# Altium PCB GameBoard_V1I1.PcbDoc (part 16 of 22) (continued)
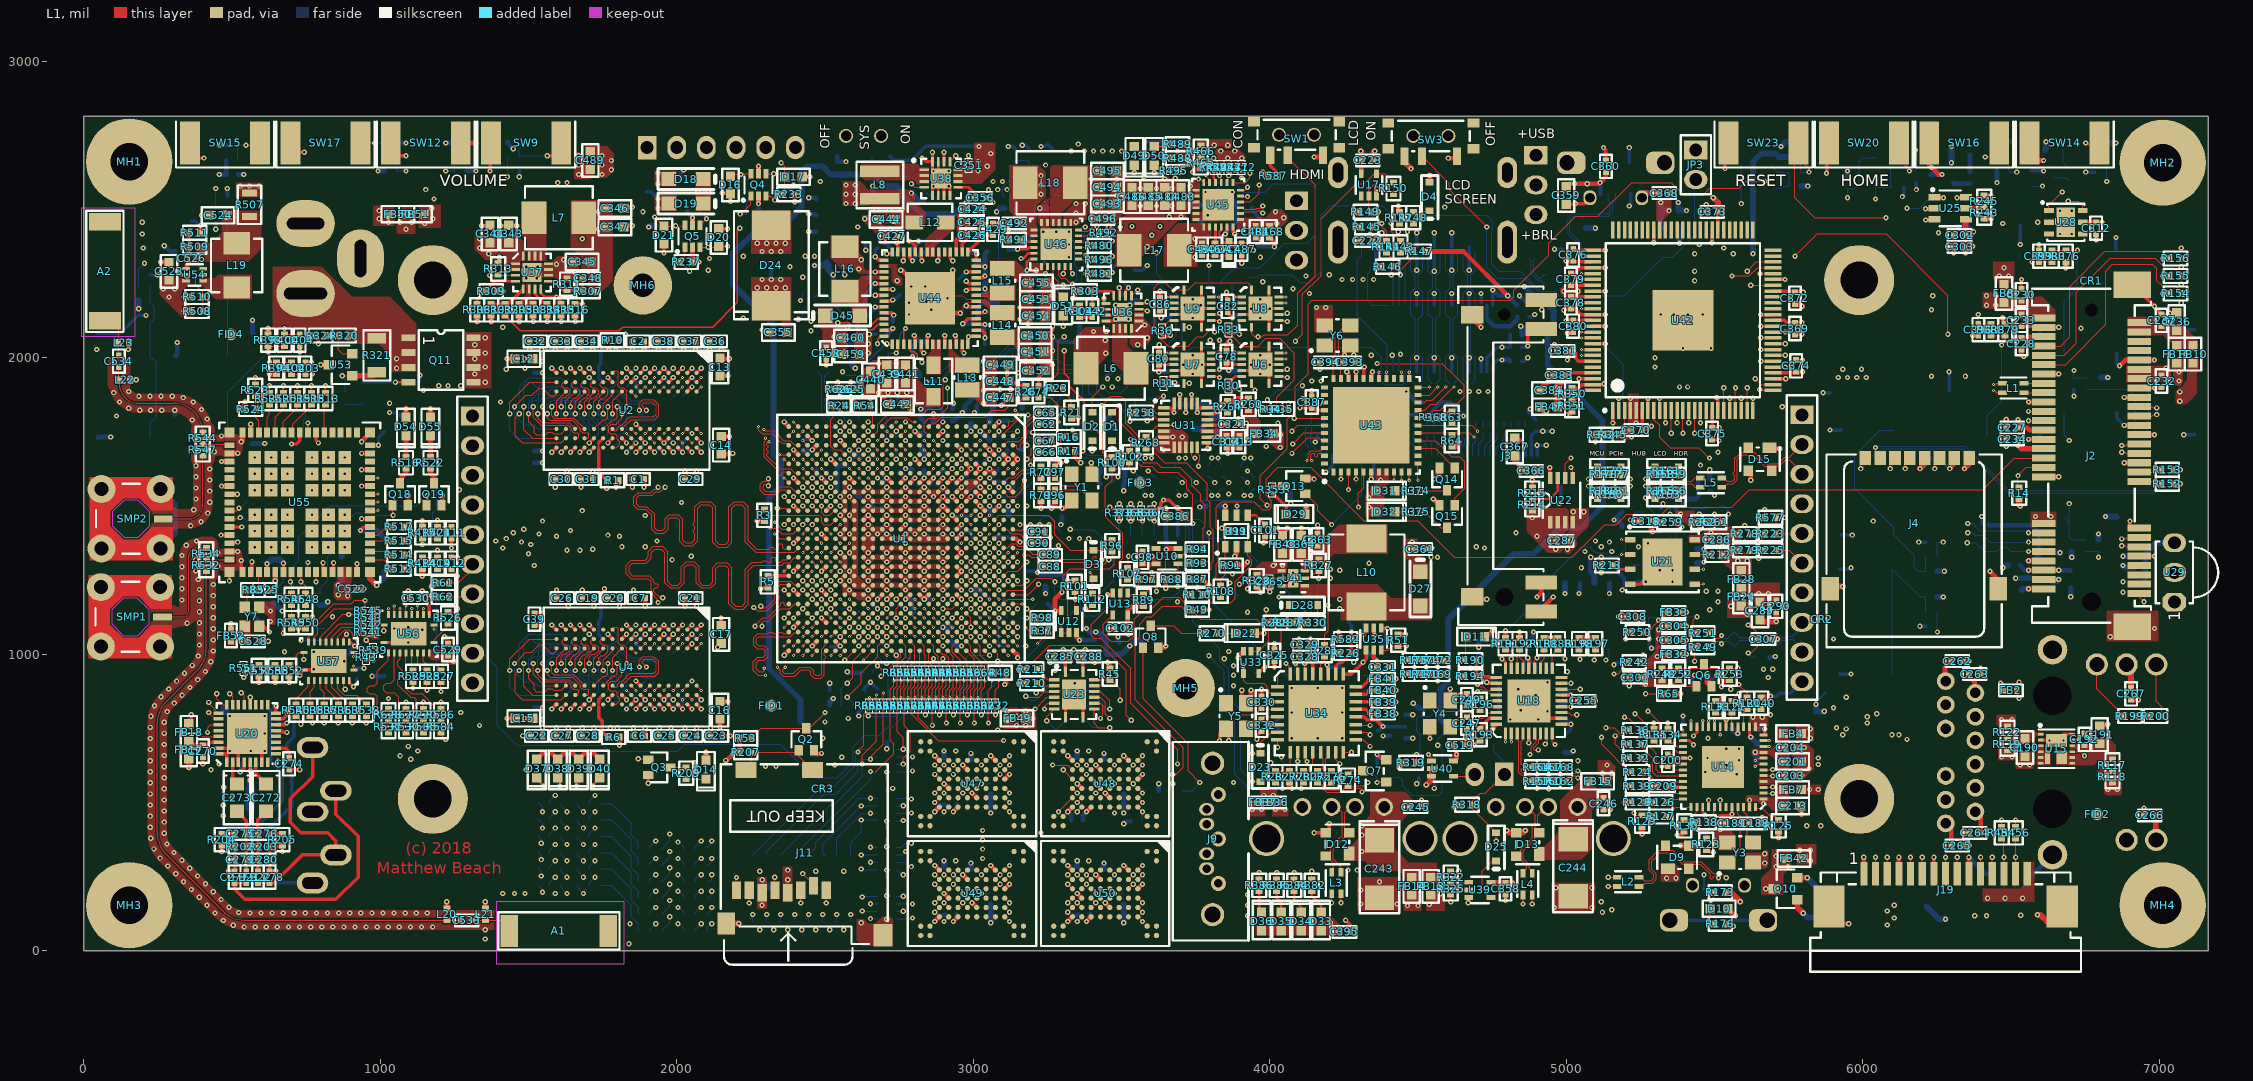
[diagram p0: L1 view]
## Nets (pads, with @x,y where several pads share a name; then routed paths per layer and width w, separated by ;. In a path a pad name is that pad's centre, name@x,y a point inside that pad or via, vN(x,y) a via of type N, cw(c..) or ccw(c..) an arc to the next point about the centre after c; other vN are vias at no path point) (continued)
  L12 w3.15: U58.4@4605.31,816.93 4639.76,816.93 R679.2@4669.29,787.4
OCK_INV: R350.2 R351.2 U42.100 | length 82.9
  L1 w3.15: R350.2@5019.69,1858.27 5031.5,1858.27 5062.99,1889.76 U42.100@5089.57,1889.76
OEn: R34.2 R35.2 U6.1 U7.1 U8.1 U9.1 | length 1308
  L1 w3.15: U8.1@3938.98,2228.35 3938.98,2238.19 3925.2,2251.97 3748.03,2251.97 3724.41,2228.35 U9.1@3710.63,2228.35 3672.03,2228.35 3648.41,2251.97 3625.98,2251.97 3610.24,2236.22 3610.24,2086.28 3657.14,2039.37 U7.1@3710.63,2039.37 3724.41,2039.37 3755.91,2070.87 3775.59,2070.87 3806.1,2101.38 3823.82,2101.38 3855.31,2069.88 3876.97,2069.88 3907.48,2039.37 U6.1@3938.98,2039.37 3961.61,2039.37 3987.2,2064.96 4033.46,2064.96 4082.68,2015.75 4082.68,1925.2 4023.62,1866.14 R34.2@4023.62,1826.77
ON_OFF: R66.1 TP3.1 U1.D12 | length 329
  L1 w3.15: U1.D12@3039.37,1421.26 v3(3055.12,1437.01)
  L3 w3.15: v4(3066.93,1425.2) 3069.88,1422.24 3205.87,1422.24 3220.63,1437.01 v2(3224.49,1437.01)
  L2 w3.15: v3(3055.12,1437.01) v4(3066.93,1425.2)
  L12 w3.15: v2(3224.49,1437.01) 3224.49,1448.9 3240.16,1464.57 R66.1@3259.84,1464.57 3275.59,1448.82 3275.59,1433.07 TP3.1@3299.21,1409.45
OTG/IUSB1: R473.1 R479.2 TP49.1 U45.8 | length 103.9
  L1 w3.15: U45.8@3856.3,2590.55 3858.27,2592.52 3858.27,2610.24 v1(3862.2,2614.17) 3862.2,2627.36 R473.1@3858.27,2631.3
  L12 w3.15: v1@3854.33,2618.11 R479.2@3854.33,2637.8 TP49.1@3893.7,2637.8
OTG/IUSB2: R495.1 R496.2 U46.8 | length 578.6
  L1 w3.15: U46.8@3354.33,2352.36 3372.05,2352.36 3379.92,2344.49 v1(3380.91,2344.49) 3380.91,2343.5 3393.7,2330.71 R496.2@3405.51,2330.71 ; v1(3574.8,2610.24) 3575.79,2609.25 3623.81,2609.25 3644.48,2629.92 R495.1@3665.35,2629.92
  L10 w3.15: v1(3380.91,2344.49) 3380.91,2417.53 3402.56,2439.19 3402.56,2447.06 3416.13,2460.63 3535.43,2460.63 3577.76,2502.95 3577.76,2607.28 v1(3574.8,2610.24)
OTG_ENABLE: U40.1 U51.4 | length 53.1
  L1 w3.15: v1(4535.43,661.42) 4545.28,651.57 U40.1@4545.28,639.76
  L12 w3.15: v1(4535.43,661.42) 4549.21,647.64 U51.4@4557.09,647.64
OTG_ENABLE_HZ: JP2.2 U40.4 | length 73.7
  L1 w3.15: U40.4@4620.08,588.58 4685.43,588.58 JP2.2@4691.34,594.49
P\D\: R589.2 U42.2 | length 75.8
  L1 w3.15: U42.2@5177.17,1821.85 v1(5177.17,1862.2)
  L12 w3.15: R589.2@5177.17,1826.77 v1(5177.17,1862.2)
P\D\O\: R348.2 U42.9 | length 75.8
  L1 w3.15: U42.9@5314.96,1821.85 v1(5314.96,1862.2)
  L12 w3.15: R348.2@5314.96,1826.77 v1(5314.96,1862.2)
PCIE_C_TX_N: C62.1 U1.A3 | length 189.8
  L1 w3.54: U1.A3@3133.86,1704.73 3135.63,1706.5 3143.7,1706.5 3146.65,1703.54 3146.65,1694.88 3149.83,1691.71 3154.75,1691.71 3157.7,1694.66 3157.7,1706.5 3181.1,1729.9 3181.1,1766.63 3208.76,1794.29 3220.47,1794.29 3224.41,1790.35 C62.1@3224.41,1775.59
PCIE_C_TX_P: C65.1 U1.B3 | length 189.2
  L1 w3.54: U1.B3@3102.36,1704.73 3115.95,1718.31 3155.32,1718.31 3171.06,1734.06 3171.06,1770.79 3204.6,1804.33 3213.78,1804.33 C65.1@3224.41,1814.96
PCIE_CLK_C_N: C66.1 U1.C7 | length 280.8
  L1 w3.35: U1.C7@3070.87,1578.74 v1(3086.61,1562.99)
  L1 w3.54: v1(3192.91,1637.8) 3195.67,1640.55 3195.67,1657.85 3205.71,1667.89 3205.71,1689.54 3211.05,1694.88 3218.5,1694.88 3222.64,1690.75 3222.64,1682.87 C66.1@3224.41,1681.1
  L10 w3.35: v1(3086.61,1562.99) 3086.61,1578.9 3100.63,1592.91 3107.28,1592.91 3110.24,1589.96 3110.24,1582.68 3114.17,1578.74 3119.09,1578.74 3123.03,1582.68 3123.03,1589.57 3126.38,1592.91 3139.91,1592.91 3167.69,1620.69 3173.84,1620.69 3177.91,1624.76 3177.91,1630.91 3182.39,1635.39 3190.5,1635.39 v1(3192.91,1637.8)
PCIE_CLK_C_P: C67.1 U1.D7 | length 279.8
  L1 w3.35: U1.D7@3039.37,1578.74 v1(3055.12,1562.99)
  L1 w3.54: v1(3181.1,1657.48) 3195.67,1672.05 3195.67,1693.7 3206.89,1704.92 3218.7,1704.92 3222.64,1708.86 3222.64,1718.7 C67.1@3224.41,1720.47
  L10 w3.35: v1(3055.12,1562.99) 3096.06,1603.94 3135.35,1603.94 3178.53,1647.12 3178.53,1654.91 v1(3181.1,1657.48)
PCIE_CLK_N: C66.2 J2.11 R17.2 | length 4433.7
  L1 w3.35: v1(6874.02,1366.14) 6885.83,1366.14 6889.76,1362.2 J2.11@6933.07,1362.2
  L1 w3.54: C66.2@3263.78,1681.1 3271.85,1689.17 3271.85,1693.69 3273.93,1695.77 3282.19,1695.77 3290.07,1703.64 3293,1703.64 3295.08,1701.57 3295.08,1693.11 R17.2@3303.15,1685.04 3307.09,1685.04 v3(3318.9,1696.85)
  L3 w3.35: v4(3330.71,1708.66) 3330.71,1714.49 3344.37,1728.15 3351.38,1728.15 3355.12,1724.41 3361.42,1724.41 3365.16,1728.15 3370.08,1728.15 3373.82,1724.41 3379.13,1724.41 3382.87,1728.15 3388.78,1728.15 3392.52,1724.41 3396.85,1724.41 3400.59,1728.15 3407.48,1728.15 3411.22,1724.41 3415.55,1724.41 3419.29,1728.15 3425.39,1728.15 3429.13,1724.41 3434.25,1724.41 3437.99,1728.15 3445.87,1728.15 3449.61,1724.41 3454.92,1724.41 3458.66,1728.15 3466.54,1728.15 3473.23,1721.46 3482.28,1721.46 3488.98,1728.15 3498.4,1728.15 3517,1746.75 3598.45,1746.75 3688.32,1746.75 3967.71,1746.75 3999.8,1714.67 4052.26,1714.67 4063.98,1726.38 4113.36,1726.38 4131.08,1744.09 4176.18,1744.09 4208.17,1776.08 4784.68,1776.08 4834.29,1726.48 5081.79,1726.48 5089.37,1734.06 5194.63,1734.06 5213.04,1752.46 5267.23,1752.46 5300.1,1719.59 5490.41,1719.59 5509.11,1738.29 5596.55,1738.29 5721.26,1862.99 5847.9,1862.99 5893.57,1817.32 6277.28,1817.32 6406.8,1946.85 6488.35,1946.85 6633.86,1801.34 6633.86,1704.21 6691.93,1646.14 6691.93,1569.88 6664.17,1542.13 6664.17,1419.65 6711.87,1371.95 6864.87,1371.95 6870.68,1366.14 v1(6874.02,1366.14)
  L2 w3.15: v3(3318.9,1696.85) v4(3330.71,1708.66)
PCIE_CLK_P: C67.2 J2.13 R16.2 | length 4434.7
  L1 w3.35: v1(6874.02,1388.78) 6886.81,1388.78 6891.73,1393.7 J2.13@6933.07,1393.7
  L1 w3.54: C67.2@3263.78,1720.47 3271.85,1712.4 3271.85,1707.88 3273.93,1705.81 3278.04,1705.81 3285.91,1713.68 3293,1713.68 3295.08,1715.76 3295.08,1724.21 R16.2@3303.15,1732.28 3307.09,1732.28 v3(3318.9,1720.47)
  L3 w3.35: v4(3307.09,1708.66) 3309.29,1708.66 3339.8,1739.17 3493.84,1739.17 3512.44,1757.78 3972.28,1757.78 4004.37,1725.69 4047.7,1725.69 4059.41,1737.4 4108.8,1737.4 4126.51,1755.12 4171.62,1755.12 4203.6,1787.11 4789.25,1787.11 4838.85,1737.5 5077.23,1737.5 5084.8,1745.08 5190.07,1745.08 5208.47,1763.48 5271.79,1763.48 5304.66,1730.61 5485.84,1730.61 5504.54,1749.31 5591.99,1749.31 5716.69,1874.02 5852.46,1874.02 5898.13,1828.35 6272.71,1828.35 6402.24,1957.87 6492.91,1957.87 6644.88,1805.91 6644.88,1708.77 6702.95,1650.7 6702.95,1565.32 6675.2,1537.56 6675.2,1424.21 6716.44,1382.97 6864.87,1382.97 6870.68,1388.78 v1(6874.02,1388.78)
  L2 w3.15: v4(3307.09,1708.66) v3(3318.9,1720.47)
PCIe_REXT: R15.2 U1.A2 | length 55.4
  L1 w3.15: U1.A2@3133.86,1736.22 v1(3149.61,1751.97)
  L12 w3.15: R15.2@3118.11,1748.03 3122.05,1751.97 v1(3149.61,1751.97)
PCIE_RSTn: J2.22 R108.2 R110.1 | length 3606.7
  L1 w3.15: R110.1@3775.59,1200.79 3783.46,1192.91 R108.2@3834.65,1192.91 3834.65,1204.72 3830.13,1209.24 3818.32,1209.24 3811.02,1216.54 3811.02,1251.97 3819.49,1260.43 3819.49,1303.86 3826.77,1311.14 3826.77,1416.13 3818.9,1424 3818.9,1496.06 3837.6,1514.76 3947.6,1514.76 3975.16,1487.2 3998.03,1487.2 4005.91,1495.08 4005.91,1517.72 3988.19,1535.43 3988.19,1590.55 4027.56,1629.92 4137.8,1629.92 4317.4,1450.31 4498.5,1450.31 4622.05,1326.77 5020.56,1326.77 5130.79,1437.01 5169.29,1437.01 5204.72,1472.44 5322.83,1472.44 5346.46,1496.06 5559.06,1496.06 5618.11,1555.12 6405.51,1555.12 6511.81,1661.42 J2.22@6610.24,1661.42
PCIE_RSTn_R: R18.1 R110.2 R674.1 | length 2782.6
  L1 w3.15: v1(3712.6,1200.79) R110.2@3736.22,1200.79
  L3 w3.15: v2(3921.26,1779.53) v2(4027.56,1779.53)
  L10 w3.15: v6(2582.68,1720.47) 2582.68,1731.09 2567.91,1745.85 2567.91,1932.09 2583.66,1947.83 2615.16,1947.83 2631.89,1964.57 2774.61,1964.57 2793.31,1945.87 2857.28,1945.87 2869.09,1957.68 2931.1,1957.68 2940.94,1947.83 3001.97,1947.83 3029.8,1920 3064.93,1920 3076.46,1908.46 3402.56,1908.46 3424.21,1886.81 3474.62,1886.81 3528.75,1940.94 3556.14,1940.94 3580,1917.08 3580,1884.57 3634.84,1829.72 3764.03,1829.72 3764.17,1829.59 3770.69,1829.59 3779.69,1838.58 3824.03,1838.58 3882.1,1780.51 3920.28,1780.51 v2(3921.26,1779.53) ; v1(3712.6,1200.79) 3732.28,1220.47 3732.28,1242.13 3767.72,1277.56 3767.72,1413.9 3802.63,1448.82 3960.63,1448.82 4035.43,1523.62 4035.43,1675.97 4020.67,1690.74 4020.67,1690.94 4019.69,1691.93 4019.69,1720.47 4007.87,1732.28 4007.87,1759.84 v2(4027.56,1779.53)
  L11 w3.15: v5(2570.87,1708.66) v6(2582.68,1720.47) v5(2594.49,1732.28)
  L12 w3.15: R18.1@2559.06,1688.98 2559.06,1696.85 v5(2570.87,1708.66) ; v5(2594.49,1732.28) R674.1@2614.17,1751.97
PCIE_RSTn_R_CPU: R18.2 R581.2 U1.V5 | length 98.3
  L1 w3.15: v2(2582.68,1657.48) U1.V5@2598.43,1641.73
  L12 w3.15: R18.2@2519.69,1688.98 2551.18,1657.48 v2(2582.68,1657.48)
PCIE_RSTn_R_CPU_ALT: R674.2 TP61.1 U1.R3 | length 221
  L1 w3.15: U1.R3@2692.91,1704.73 v2(2708.66,1720.47)
  L12 w3.15: R674.2@2614.17,1791.34 2614.17,1807.09 2622.05,1814.96 2692.91,1814.96 2708.66,1799.21 v2(2708.66,1720.47)
PCIE_RX_N: J2.23 U1.B1 | length 4818.1
  L1 w3.74: U1.B1@3102.36,1767.72 3104.2,1769.56 3115.86,1769.56 3119.09,1772.8 3119.09,1783.46 3122.05,1786.42 3132.71,1786.42 3149.61,1803.31 3149.61,1814.96 v3(3141.73,1822.83) ; v1(6874.02,1681.1) 6885.83,1681.1 6889.76,1677.17 J2.23@6933.07,1677.17
  L3 w3.54: v4(3161.49,1822.87) 3169.33,1830.71 3177.17,1830.71 3181.1,1826.77 3188.98,1826.77 3192.91,1830.71 3200.79,1830.71 3205.71,1825.79 3205.71,1819.88 3200.79,1814.96 3200.79,1810.04 3204.72,1806.1 3209.65,1806.1 3214.57,1811.02 3220.47,1811.02 3224.41,1807.09 3224.41,1801.18 3219.49,1796.26 3219.49,1791.34 3223.43,1787.4 3228.35,1787.4 3233.27,1792.32 3239.17,1792.32 3255.9,1775.59 3339.26,1775.59 3357.76,1757.09 3478.85,1757.09 3524.92,1803.15 3604.32,1803.15 3615.14,1792.32 3850.18,1792.32 3871.01,1813.15 3923.74,1813.15 3941.62,1795.28 4036.11,1795.28 4063.66,1767.72 4127.95,1767.72 4179.13,1818.9 4786.12,1818.9 4838.48,1766.54 4958.79,1766.54 4968.24,1757.09 5078.26,1757.09 5116.45,1795.27 5330.03,1795.27 5346.46,1811.7 5346.46,1850.39 5357.59,1861.53 5374.01,1861.53 5385.83,1849.72 5385.83,1811.7 5402.25,1795.28 5598.43,1795.28 5696.85,1893.7 5834.8,1893.7 5846.61,1905.51 5964.57,1905.51 5976.38,1893.7 5976.38,1870.75 5992.8,1854.33 6030.82,1854.33 6043.31,1866.82 6043.31,1948.82 6051.18,1956.69 6066.93,1956.69 6074.8,1948.82 6074.8,1866.82 6087.29,1854.33 6109.56,1854.33 6122.05,1866.82 6122.05,1948.82 6129.92,1956.69 6141.73,1956.69 6149.61,1948.82 6149.61,1866.82 6162.09,1854.33 6184.36,1854.33 6196.85,1866.82 6196.85,1898.31 6204.05,1905.51 6290.67,1905.51 6373.34,1988.19 6504.61,1988.19 6804.31,1688.48 6864.85,1688.48 6872.24,1681.1 v1(6874.02,1681.1)
  L2 w3.15: v3(3141.73,1822.83) v4(3161.49,1822.87)
PCIE_RX_P: J2.25 U1.B2 | length 4815.9
  L1 w3.74: U1.B2@3102.36,1736.22 3102.36,1744.1 v3(3161.42,1803.15) ; v1(6874.02,1703.74) 6886.81,1703.74 6891.73,1708.66 J2.25@6933.07,1708.66
  L3 w3.54: v4(3141.73,1803.15) 3149.87,1811.29 3149.87,1827.68 3160.78,1838.58 3204.05,1838.58 3259.17,1783.46 3342.52,1783.46 3361.02,1764.96 3475.59,1764.96 3521.65,1811.02 3607.58,1811.02 3618.41,1800.2 3846.92,1800.2 3867.75,1821.03 3927,1821.03 3944.88,1803.15 4039.37,1803.15 4066.93,1775.59 4124.69,1775.59 4175.87,1826.77 4789.38,1826.77 4841.75,1774.41 4962.05,1774.41 4971.5,1764.96 5075,1764.96 5113.19,1803.15 5205.4,1803.15 5326.77,1803.15 5338.58,1814.96 5338.58,1853.65 5354.33,1869.4 5377.28,1869.4 5393.7,1852.98 5393.7,1814.96 5405.51,1803.15 5595.16,1803.15 5693.59,1901.57 5831.54,1901.57 5843.35,1913.38 5967.83,1913.38 5984.25,1896.96 5984.25,1874.02 5996.06,1862.2 6027.56,1862.2 6035.43,1870.08 6035.43,1952.08 6047.92,1964.57 6070.19,1964.57 6082.68,1952.08 6082.68,1870.08 6090.55,1862.2 6106.3,1862.2 6114.17,1870.08 6114.17,1952.08 6126.66,1964.57 6144.99,1964.57 6157.48,1952.08 6157.48,1870.08 6165.35,1862.2 6181.1,1862.2 6188.98,1870.08 6188.98,1901.57 6200.79,1913.39 6287.4,1913.39 6370.08,1996.06 6507.87,1996.06 6807.58,1696.36 6864.85,1696.36 6872.24,1703.74 v1(6874.02,1703.74)
  L2 w3.15: v4(3141.73,1803.15) v3(3161.42,1803.15) v3@3161.49,1803.22
PCIE_TX_N: C62.2 J2.31 | length 4625.9
  L1 w3.74: C62.2@3263.78,1775.59 3275.49,1775.59 3283.37,1783.46 v3(3291.34,1783.46) ; J2.31@6933.07,1803.15 6974.41,1803.15 6979.33,1808.07 v1(6992.13,1808.07)
  L3 w3.54: v4(3303.15,1795.28) 3295.28,1803.15 3295.28,1810.04 3301.18,1815.94 3312.01,1815.94 3314.96,1812.99 3314.96,1808.07 3317.91,1805.12 3322.83,1805.12 3325.79,1808.07 3325.79,1812.99 3328.74,1815.94 3501.97,1815.94 3520.67,1834.65 3836.71,1834.65 3848.52,1846.46 3965.24,1846.46 3987.88,1823.82 4075.01,1823.82 4091.74,1807.09 4118.11,1807.09 4171.26,1860.24 4437.99,1860.24 4453.74,1844.49 4801.18,1844.49 4851.38,1794.29 4978.35,1794.29 4987.99,1784.65 5016.93,1784.65 5038.02,1805.74 5091.17,1805.74 5116.14,1830.71 5223.42,1830.71 5248.03,1855.32 5248.03,1881.89 5290.36,1924.21 5380.23,1924.21 5399.61,1943.59 5399.61,1967.21 5410.74,1978.35 5427.16,1978.35 5438.98,1966.53 5438.98,1858.11 5454.72,1842.37 5475.24,1842.37 5490.16,1857.28 5490.16,1969.18 5501.29,1980.31 5515.75,1980.31 5527.56,1968.5 5527.56,1929.81 5543.98,1913.39 5562.32,1913.39 5578.74,1929.81 5578.74,1966.22 5588.25,1975.73 5603.01,1975.73 5632.87,1945.87 5756.89,1945.87 5777.56,1925.2 5830.71,1925.2 5844.83,1939.31 5844.83,1970.81 5854.33,1980.32 6306.41,1980.32 6357.59,2031.5 6448.07,2031.5 6459.13,2020.44 6477.88,2020.44 6488.94,2031.5 6551.18,2031.5 6606.3,1976.38 6606.3,1933.75 6650.28,1889.76 6716.53,1889.76 6759.84,1846.46 6786.05,1846.46 6805.74,1866.14 6826.77,1866.14 6838.58,1854.33 6838.58,1831.38 6870.75,1799.21 6900.9,1799.21 6916.65,1814.96 6973.04,1814.96 6973.53,1815.45 6982.96,1815.45 6990.35,1808.07 v1(6992.13,1808.07)
  L2 w3.15: v3(3291.34,1783.46) v4(3303.15,1795.28)
PCIE_TX_P: C65.2 J2.33 | length 4623.8
  L1 w3.74: C65.2@3263.78,1814.96 3275.49,1814.96 3283.37,1807.09 v3(3291.34,1807.09) ; J2.33@6933.07,1834.65 6976.38,1834.65 6980.31,1830.71 v1(6992.13,1830.71)
  L3 w3.54: v4(3279.53,1795.28) 3287.4,1803.15 3287.4,1813.3 3295.95,1821.85 3297.92,1823.82 3498.71,1823.82 3517.41,1842.52 3833.45,1842.52 3845.26,1854.33 3968.5,1854.33 3991.14,1831.69 4078.27,1831.69 4095.01,1814.96 4114.85,1814.96 4168,1868.11 4441.25,1868.11 4457,1852.36 4804.44,1852.36 4854.64,1802.17 4981.61,1802.17 4991.25,1792.52 5013.67,1792.52 5034.76,1813.61 5087.91,1813.61 5112.88,1838.58 5220.16,1838.58 5240.16,1858.58 5240.16,1885.15 5287.09,1932.09 5376.97,1932.09 5391.73,1946.85 5391.73,1970.47 5407.48,1986.22 5430.43,1986.22 5446.85,1969.8 5446.85,1861.38 5457.99,1850.24 5471.98,1850.24 5482.28,1860.54 5482.28,1972.44 5498.03,1988.19 5519.01,1988.19 5535.43,1971.76 5535.43,1933.07 5547.24,1921.26 5559.06,1921.26 5570.87,1933.07 5570.87,1969.49 5584.98,1983.6 5606.27,1983.6 5636.14,1953.74 5760.15,1953.74 5780.82,1933.07 5827.45,1933.07 5836.95,1942.58 5836.95,1974.07 5851.07,1988.19 6303.15,1988.19 6354.33,2039.37 6451.33,2039.37 6462.39,2028.31 6474.62,2028.31 6485.68,2039.37 6554.44,2039.37 6614.17,1979.64 6614.17,1937.01 6653.54,1897.64 6719.8,1897.64 6763.1,1854.33 6782.79,1854.33 6802.47,1874.02 6830.03,1874.02 6846.46,1857.59 6846.46,1834.65 6874.02,1807.09 6897.64,1807.09 6913.39,1822.84 6969.77,1822.84 6970.27,1823.33 6982.96,1823.33 6990.35,1830.71 v1(6992.13,1830.71)
  L2 w3.15: v4(3279.53,1795.28) v3(3291.34,1807.09)
PCIE_WAKE: J2.1 R151.1 U1.P3 | length 5606.7
  L1 w3.15: U1.P3@2724.41,1704.73 v3(2740.16,1688.98) ; J2.1@6933.07,1204.72 6933.07,1192.91 v1(6948.82,1177.17)
  L3 w3.15: v4(2751.97,1677.17) 2809.13,1620 2900.48,1620 2921.23,1640.75 2933.28,1640.75 2945,1652.47 2945,1662.73 2954.52,1672.24 2964.78,1672.24 2976.38,1683.84 2976.38,1763.78 3085.63,1873.03 3581.69,1873.03 3613.19,1904.53 3645.67,1904.53 3678.15,1937.01 3724.41,1937.01 3731.3,1930.12 3766.73,1930.12 3779.53,1917.32 3870.08,1917.32 3876.57,1923.82 3962.01,1923.82 3968.5,1917.32 4070.87,1917.32 4090.55,1937.01 4188.98,1937.01 4216.54,1909.45 4464.57,1909.45 4496.06,1877.95 4571.54,1877.95 4579.42,1870.08 4874.02,1870.08 4909.45,1834.65 5079.72,1834.65 5116.14,1871.06 5146.65,1871.06 5165.05,1889.46 5191.93,1889.46 5286.73,1984.25 5314.96,1984.25 5335.63,2004.92 5696.54,2004.92 5708.35,1993.11 5749.02,1993.11 5767.72,2011.81 6263.78,2011.81 6307.09,2055.12 6377.95,2055.12 6393.7,2070.87 6488.19,2070.87 6500,2082.68 6555.12,2082.68 6602.36,2035.43 6660.74,2035.43 6679.78,2016.39 6679.78,1946.2 6696.85,1929.13 6801.96,1929.13 6820.66,1947.83 6902.56,1947.83 7015.75,1834.65 7015.75,1452.76 6925.2,1362.2 6925.2,1236.22 6948.82,1212.6 v1(6948.82,1177.17)
  L2 w3.15: v3(2740.16,1688.98) v4(2751.97,1677.17)
  L12 w3.15: v1(6948.82,1177.17) 6952.76,1181.1 R151.1@6952.76,1196.85
PCIE_WDISn: J2.20 R14.1 U1.R1 | length 5243.7
  L1 w3.15: U1.R1@2692.91,1767.72 2708.66,1783.46 2723.43,1798.23 2777.77,1798.23 2792.53,1783.46 v3(2803.15,1783.46) ; v1(5771.65,2342.52) 5846.46,2417.32 6078.74,2417.32 6287.4,2208.66 v1(6287.4,2078.74) ; R14.1@6527.56,1562.99 6523.62,1566.93 v1(6523.62,1602.36) 6551.18,1629.92 J2.20@6610.24,1629.92
  L3 w3.15: v4(2814.96,1795.28) 2814.96,1813.77 2808.07,1820.66 2808.07,1832.89 2834.65,1859.46 2834.65,1904.32 2827.76,1911.21 2827.76,1926.39 2850.39,1949.03 2850.39,2011.81 2862.2,2023.62 2862.2,2066.93 2889.76,2094.49 3047.24,2094.49 3062.99,2078.74 3254.71,2078.74 3266.52,2090.55 3314.96,2090.55 3401.57,2177.17 3458.66,2177.17 3481.3,2199.8 3532.48,2199.8 3538.39,2193.9 3570.66,2193.9 3615.93,2239.17 3772.64,2239.17 3801.18,2267.72 3964.57,2267.72 v1(3976.38,2255.91)
  L10 w3.15: v1(3976.38,2255.91) 4000.98,2231.3 4056.88,2231.3 4072.62,2247.05 4084.86,2247.05 4099.62,2232.28 4137.8,2232.28 4181.1,2275.59 4181.1,2287.4 4192.91,2299.21 4248.03,2299.21 4346.46,2397.64 4507.87,2397.64 4562.99,2342.52 4607.49,2342.52 4641.73,2308.28 4641.73,2284.82 4697.83,2228.71 4697.83,2210.42 4722.23,2186.02 4841.54,2186.02 4967.52,2312.01 5006.12,2312.01 5014.76,2320.66 5014.76,2321.85 5031.5,2338.58 5354.33,2338.58 5381.89,2366.14 5514.55,2366.14 5525.38,2355.31 5537.61,2355.31 5547.45,2365.16 5636.04,2365.16 5658.67,2342.52 v1(5771.65,2342.52) ; v1(6287.4,2078.74) 6405.51,1960.63 6405.51,1720.47 v1(6523.62,1602.36)
  L2 w3.15: v3(2803.15,1783.46) v4(2814.96,1795.28)
PHASE_1V375: L6.1 U36.13 U36.14 U36.15
PHASE_3V3_HDR: L7.1 U37.13 U37.14 U37.15
PMIC_INT: R435.1 R439.2 U1.T24 U44.1 | length 4980
  L1 w3.15: v3(2645.67,1027.56) U1.T24@2661.42,1043.31
  L1 w4.49: v2(2708.66,2047.24) 2712.6,2047.24 2726.38,2033.46 U44.1@2726.38,2045.28
  L3 w3.15: v2(1488.19,1964.57) 1389.76,1866.14 1250.06,1866.14 1236.22,1852.3 1236.22,1591.23 1251.24,1576.21 1251.24,1390.5 1286.56,1355.18 1361.36,1355.18 1389.76,1326.77 1389.76,1228.35 1413.39,1204.72 1413.39,854.33 1464.57,803.15 1464.57,775.59 1515.75,724.41 1799.21,724.41 1841.02,682.61 1982.07,682.61 2045.58,619.09 2174.21,619.09 2228.35,673.23 2401.32,673.23 2484.99,756.89 2510.05,756.89 2552.17,799 2552.17,950.32 2565.43,963.58 2578.43,963.58 2594.49,979.64 2594.49,988.19 2614.17,1007.87 2625.98,1007.87 v4(2633.86,1015.75) ; v1(2110.24,2334.65) 2216.54,2334.65 v1(2224.41,2342.52)
  L10 w3.15: v2(1488.19,1964.57) 1468.5,1984.25 1468.5,2091.54 1483.27,2106.3 1483.27,2121.06 1586.61,2224.41 1602.36,2224.41 1750.98,2373.03 2071.85,2373.03 v1(2110.24,2334.65)
  L10 w4.49: v1(2224.41,2342.52) 2267.72,2342.52 2331.42,2278.82 2356.62,2278.82 2381.89,2253.55 2381.89,2082.68 2460.63,2003.94 2606.3,2003.94 2634.57,2032.2 2651.9,2032.2 2660.71,2041.01 2660.71,2052.06 2670.94,2062.28 2683.39,2062.28 2698.43,2047.24 v2(2708.66,2047.24)
  L2 w3.15: v4(2633.86,1015.75) v3(2645.67,1027.56)
  L12 w4.49: R435.1@2629.92,1988.19 2645.67,1988.19 R439.2@2673.23,2015.75 2704.72,2047.24 v2(2708.66,2047.24)
PMIC_ON_REQ: D2.1 R69.1 U1.D11 | length 597.6
  L1 w3.15: U1.D11@3039.37,1452.76 v3(3055.12,1468.5) ; v1(3401.57,1685.04) D2.1@3401.57,1719.72
  L3 w3.15: v4(3043.31,1480.31) 3048.23,1485.24 3134.84,1485.24 v1(3149.61,1500)
  L10 w3.15: v1(3149.61,1500) 3200.79,1551.18 3330.03,1551.18 3412.4,1633.55 3412.4,1674.21 v1(3401.57,1685.04)
  L2 w3.15: v4(3043.31,1480.31) v3(3055.12,1468.5)
  L12 w3.15: v1(3401.57,1685.04) R69.1@3401.57,1720.47
PMIC_SDWNB: R436.1 R439.1 U44.2 | length 154.6
  L1 w4.49: v2(2740.16,2015.75) 2746.06,2021.65 U44.2@2746.06,2045.28
  L12 w4.49: v2(2740.16,2015.75) R439.1@2712.6,2015.75 2712.6,1986.61 2734.64,1964.57 2763.78,1964.57 R436.1@2767.72,1960.63
PMIC_STBY_REQ: D1.2 D23.2 R434.1 R440.2 U44.4 | length 2524.6
  L1 w3.15: D1.2@3468.5,1815.72 3491.37,1838.58 v1(3492.13,1838.58) 3492.13,1784.66 3551.18,1725.6 3551.18,1649.61 3566.93,1633.86 3602.36,1633.86 3622.05,1614.17 3690.17,1614.17 3719.49,1584.86 3719.49,1558.07 3740.16,1537.4 v1(3740.16,1440.94) ; v1(3940.94,570.87) 3967.75,570.87 D23.2@3968.5,570.11
  L1 w4.49: U44.4@2785.43,2045.28 2785.43,2025.59 2791.34,2019.68 2800.8,2019.68 2811.02,2009.46 2811.02,2000 v2(2826.77,1984.25)
  L12 w3.15: v2(2826.77,1984.25) 2854.33,1956.69 R434.1@2870.08,1956.69 2897.64,1956.69 2917.32,1976.38 2948.82,1976.38 2956.69,1968.5 3047.24,1968.5 3125.98,2047.24 3216.54,2047.24 3268.7,1995.08 3285.43,1995.08 3304.13,1976.38 3374.02,1976.38 3417.32,1933.07 3417.32,1884.84 3436.02,1866.14 3464.57,1866.14 v1(3492.13,1838.58) 3507.87,1822.83 R440.2@3507.87,1814.96 ; v1(3740.16,1440.94) 3740.16,1110.03 3831.69,1018.49 3831.69,978.14 3861.22,948.61 3861.22,851.38 3901.57,811.02 3901.57,610.24 v1(3940.94,570.87)
PMIC_STBY_REQ_CPU: D1.1 R68.1 U1.F11 | length 685.1
  L1 w3.15: U1.F11@2976.38,1452.76 v3(2992.13,1437.01) ; v1(3468.5,1692.91) D1.1@3468.5,1719.72
  L3 w3.15: v4(3003.94,1448.82) 3028.52,1448.82 3056.07,1476.38 3157.48,1476.38 v2(3181.1,1500)
  L10 w3.15: v2(3181.1,1500) 3181.1,1519.69 3204.72,1543.31 3342.52,1543.31 3426.18,1626.97 3426.18,1651.78 3467.31,1692.91 v1(3468.5,1692.91)
  L2 w3.15: v3(2992.13,1437.01) v4(3003.94,1448.82)
  L12 w3.15: v1(3468.5,1692.91) R68.1@3468.5,1720.47
PMIC_VDDOTP: C470.1 R432.1 R438.2 TP38.1 U44.47 | length 313.8
  L1 w11.81: v2(2669.29,2250) U44.47@2698.82,2250
  L12 w11.81: 2610.24,2098.43 R438.2@2610.24,2070.87 R432.1@2610.24,2139.76 2610.24,2153.54 2635.83,2179.13 C470.1@2635.83,2204.72 2635.83,2216.54 v2(2669.29,2250) v2@2667.32,2251.97 ; TP38.1@2637.8,2269.68 TP38.1@2639.76,2269.68 ; v2@2669.29,2251.97 v2@2667.32,2251.97 ; TP38.1@2639.76,2269.68 TP38.1@2649.61,2269.68 ; TP38.1@2639.76,2269.68 TP38.1@2641.73,2271.65 2647.64,2271.65 TP38.1@2649.61,2269.68 ; TP38.1@2649.61,2269.68 v2@2667.32,2251.97
PMIC_VHALF: C426.2 C429.1 U44.29 | length 122.1
  L1 w11.81: U44.29@2982.28,2356.3 3015.75,2389.76 C426.2@3015.75,2413.39 C429.1@3066.93,2413.39
PMID1: C477.1 C478.1 C479.1 D46.1 R469.2 TP44.1 U45.23 | length 457.7
  L1 w9.45: v1(3850.39,2417.32) 3856.3,2423.23 U45.23@3856.3,2440.94
  L12 w15.75: C478.1@3704.72,2517.72 3767.72,2517.72 C479.1@3763.78,2513.78 3773.62,2513.78 TP44.1@3826.77,2566.93 3854.33,2539.37 3866.14,2539.37 C477.1@3889.76,2515.75 R469.2@3889.76,2464.57 3889.76,2460.63 3850.39,2421.26 v1(3850.39,2417.32) 3850.39,2406.65 D46.1@3898.78,2358.27
PMID2: C490.1 C491.1 U46.23 | length 50.6
  L1 w8.66: v1(3161.42,2334.65) 3169.29,2334.65 3187.01,2352.36 U46.23@3204.72,2352.36
POK_1V375_OPT: R107.1 U36.3 | length 2027.8
  L1 w3.15: R107.1@3519.69,1291.34 3523.62,1295.28 v1(3523.62,1330.71) ; U36.3@3559.45,2163.39 3584.65,2163.39 3586.61,2161.42 v1(3586.61,2157.48)
  L10 w3.15: v1(3523.62,1330.71) 3534.24,1330.71 3549,1315.94 3597.44,1315.94 3666.36,1247.02 3666.36,1178.9 3682.86,1162.4 3714.78,1162.4 3780.51,1228.14 3780.51,1415.56 3789.16,1424.21 3808.07,1424.21 3821.85,1410.43 3950.79,1410.43 4051.18,1510.83 4051.18,1703.53 4020.67,1734.04 4020.67,1746.27 4042.32,1767.93 4042.32,1789.06 4031.5,1799.89 4031.5,1874.02 4009.84,1895.67 3976.38,1895.67 3946.85,1866.14 3881.89,1866.14 3849.41,1898.62 3715.55,1898.62 3694.88,1919.29 3694.88,1937.01 3601.38,2030.51 3601.38,2142.72 v1(3586.61,2157.48)
POK_3V3_OPT: R102.1 R313.2 U37.3 | length 2987
  L1 w3.15: v1(1368.11,2277.56) U37.3@1456.3,2277.56 ; R102.1@3527.56,1685.04 3531.5,1688.98 v1(3531.5,1724.41)
  L3 w3.15: v1(1368.11,2277.56) 1476.38,2385.83 1739.48,2385.83 1763.1,2409.45 1925.66,2409.45 1975.85,2459.65 2002.18,2459.65 2021.86,2439.96 2134.26,2439.96 2155.48,2461.18 2480.75,2461.18 2566.93,2375 v1(2566.93,2279.53)
  L10 w3.15: v1(2566.93,2279.53) 2566.93,2283.46 2582.68,2267.72 2715.34,2267.72 2770.46,2212.6 2846.46,2212.6 2929.13,2129.92 2975.39,2129.92 3022.64,2082.68 3066.93,2082.68 v6(3118.11,2031.5)
  L11 w3.15: v6(3118.11,2031.5) v5(3133.86,2015.75)
  L12 w3.15: v5(3133.86,2015.75) 3133.86,2000 3186.02,1947.83 3351.38,1947.83 3370.08,1929.13 3370.08,1783.46 3354.33,1767.72 3354.33,1679.91 3371.84,1662.4 3480.62,1662.4 3531.5,1713.27 v1(3531.5,1724.41)
POK_PMIC: R100.1 R312.2 R437.1 U44.3 | length 3043.8
  L1 w4.49: R312.2@1421.26,2141.73 1472.44,2090.55 1805.12,2090.55 1817.91,2103.35 2121.03,2103.35 2204.72,2187.04 2204.72,2429.13 v1(2212.6,2437.01) ; U44.3@2765.75,2045.28 2765.75,2092.52 v2(2771.65,2098.43) ; v1(3307.09,2023.62) 3307.09,1948.14 3322.83,1932.4 3322.83,1905.51 3374.02,1854.33 3374.02,1767.72 3385.83,1755.91 3417.32,1755.91 3437.01,1736.22 3437.01,1681.1 3452.76,1665.35 R100.1@3468.5,1665.35
  L3 w4.49: v1(2212.6,2437.01) 2287.4,2437.01 2303.43,2453.03 2468.23,2453.03 2550.91,2370.35 2550.91,2271.93 2636.54,2186.3 2683.78,2186.3 2704.72,2165.35 2704.72,2149.99 2726.05,2128.66 2741.42,2128.66 v2(2771.65,2098.43)
  L10 w4.49: v2(2771.65,2098.43) 2775.59,2098.43 2787.4,2110.24 2933.07,2110.24 2957.4,2085.91 2992.83,2085.91 3034.45,2044.29 3069.88,2044.29 3098.23,2015.94 3157.68,2015.94 3180.39,2038.66 3292.05,2038.66 v1(3307.09,2023.62)
  L12 w4.49: R437.1@2751.97,2043.31 2751.97,2078.74 v2(2771.65,2098.43)
POK_SYS: Q16.1 R97.1 R100.2 R102.2 R107.2 U13.2 U15.9 | length 8192.1
  L1 w3.15: R102.2@3527.56,1645.67 3527.56,1634.73 3518.81,1625.98 R100.2@3468.5,1625.98 3468.5,1586.61 3445.87,1563.98 3445.87,1463.58 3503.94,1405.51 3503.94,1322.83 3492.13,1311.02 3492.13,1279.53 R107.2@3519.69,1251.97 R97.1@3562.99,1251.97 3562.99,1240.16 3555.12,1232.28 3511.81,1232.28 3496.06,1216.54 U13.2@3496.06,1206.69 3496.06,1177.17 3484.25,1165.35 3464.57,1165.35 3397.64,1098.43 3397.64,1062.99 3406.5,1054.13 3430.12,1054.13 3531.5,952.76 3531.5,834.65 3688.98,677.17 v1(3688.98,629.92) ; U15.9@6707.09,671.26 6734.25,671.26 v1(6748.03,657.48)
  L10 w3.15: v1(3688.98,629.92) 3688.98,549.21 3681.1,541.34 3681.1,295.28 3786.42,189.96 3871.06,189.96 3885.83,204.72 3976.38,204.72 4062.99,118.11 4541.11,118.11 4603.12,180.12 4629.71,180.12 4723.22,86.61 5227.67,86.61 5302.47,161.42 5429.13,161.42 5452.76,137.8 5590.55,137.8 5614.17,161.42 5720.47,161.42 5779.53,102.36 5866.14,102.36 5932.09,168.31 6112.41,168.31 6118.32,162.4 6752.95,162.4 6940.94,350.39 6940.94,405.51 6748.03,598.43 v1(6748.03,657.48) 6834.65,744.09 6944.88,744.09 7051.18,850.39 7051.18,998.81 6925.2,1124.79 6925.2,1192.14 6925.2,2393.7 6724.41,2594.49 6622.05,2594.49 v1(6606.3,2578.74)
  L12 w3.15: Q16.1@6568.9,2580.71 6570.87,2578.74 v1(6606.3,2578.74)